# KiCad board EnvKB105-RPI.kicad_pcb (continued)
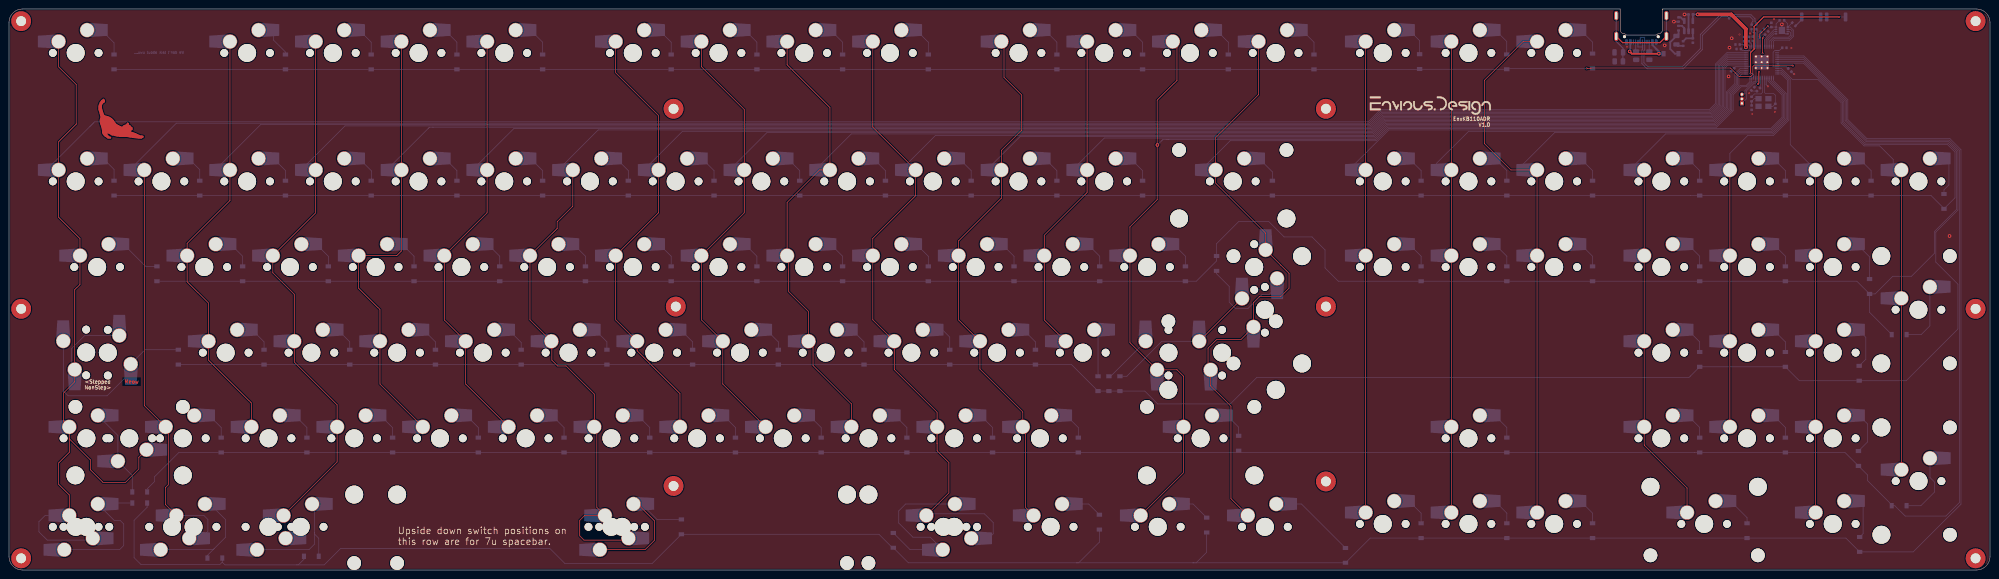
[diagram p0: board, top side]
## Nets
3V3_EN: R7.1 U1.3
+1V1: C3.1 C6.1 C7.1 U3.23 U3.45 U3.50
+3V3: C4.1 C5.1 C8.1 C10.1 C11.1 C13.1 C14.1 C15.1 C16.1 C18.1 C102.1 FLASH1.8 R2.1 U1.5 U3.1 U3.10 U3.22 U3.33 U3.42 U3.43 U3.44 U3.48 U3.49
GND: C1.2 C2.1 C3.2 C4.2 C5.2 C6.2 C7.2 C8.2 C9.2 C10.2 C11.2 C13.2 C14.2 C15.2 C16.2 C18.2 C19.1 C102.2 CBP1.2 FLASH1.4 FLASH1.9 J2.2 J5.2 R5.1 R6.1 R8.2 RSW1.1 U1.2 U3.19 U3.57 USB1.A1 USB1.A12 USB1.B1 USB1.B12 Y1.2 Y1.4
VBUS: D1.2 USB1.A4 USB1.A9 USB1.B4 USB1.B9
/GPIO0: U3.2
/GPIO1: U3.3
/QSPI_SCLK: FLASH1.6 U3.52
/QSPI_SD0: FLASH1.5 U3.53
/QSPI_SD1: FLASH1.2 U3.55
/QSPI_SD2: FLASH1.3 U3.54
/QSPI_SD3: FLASH1.7 U3.51
/QSPI_SS: FLASH1.1 R1.1 R2.2 U3.56
/RUN: RSW1.2 U3.26
/SWCLK: J5.1 U3.24
/SWD: J5.3 U3.25
/~{USB_BOOT}: J2.1 R1.2
col0: K_12.1 K_28.1 K_49.1 K_70.1 K_70B1.1 K_86.1 K_104.1 K_104B1.1 K_ANSI_1.1 U3.41
col1: K_29.1 K_87.1 K_105.1 K_105B1.1 U3.40
col2: K_13.1 K_30.1 K_50.1 K_71.1 K_88.1 U3.39
col3: K_14.1 K_31.1 K_51.1 K_72.1 K_89.1 K_106.1 K_106B1.1 U3.38
col4: K_15.1 K_32.1 K_52.1 K_73.1 K_90.1 U3.37
col5: K_16.1 K_33.1 K_53.1 K_74.1 K_91.1 U3.36
col6: K_34.1 K_54.1 K_75.1 K_92.1 K_107.1 K_107B1.1 U3.35
col7: K_17.1 K_35.1 K_55.1 K_76.1 K_93.1 U3.34
col8: K_18.1 K_36.1 K_56.1 K_77.1 K_94.1 U3.32
col9: K_19.1 K_37.1 K_57.1 K_78.1 K_95.1 U3.31
col10: K_20.1 K_38.1 K_58.1 K_79.1 K_96.1 K_108.1 K_108C1.1 U3.30
col11: K_21.1 K_39.1 K_59.1 K_80.1 K_97.1 K_109.1 U3.29
col12: K_22.1 K_40.1 K_60.1 K_81.1 U3.28
col13: K_23.1 K_61.1 K_82.1 K_98.1 K_110.1 U3.27
col14: K_24.1 K_41.1 K_62.1 K_111.1 K_ANSI_2.1 K_ANSI_3.1 U3.18
col15: K_25.1 K_42.1 K_63.1 K_112.1 U3.17
col16: K_26.1 K_43.1 K_64.1 K_99.1 K_113.1 U3.16
col17: K_27.1 K_44.1 K_65.1 K_114.1 U3.15
col19: K_45.1 K_66.1 K_83.1 K_100.1 K_115.1 U3.14
col20: K_46.1 K_67.1 K_84.1 K_101.1 U3.13
col21: K_47.1 K_68.1 K_85.1 K_102.1 K_116.1 U3.12
col22: K_48.1 K_69.1 K_103.1 U3.11
row1: D_12.1 D_13.1 D_14.1 D_15.1 D_16.1 D_17.1 D_18.1 D_19.1 D_20.1 D_21.1 D_22.1 D_23.1 D_24.1 D_25.1 D_26.1 D_27.1 U3.9
row3: D_28.1 D_29.1 D_30.1 D_31.1 D_32.1 D_33.1 D_34.1 D_35.1 D_36.1 D_37.1 D_38.1 D_39.1 D_40.1 D_41.1 D_42.1 D_43.1 D_44.1 D_45.1 D_46.1 D_47.1 D_48.1 U3.8
row4: D_49.1 D_50.1 D_51.1 D_52.1 D_53.1 D_54.1 D_55.1 D_56.1 D_57.1 D_58.1 D_59.1 D_60.1 D_61.1 D_63.1 D_64.1 D_65.1 D_66.1 D_67.1 D_68.1 D_69.1 D_117.1 U3.7
row5: D_62.1 D_70.1 D_71.1 D_72.1 D_73.1 D_74.1 D_75.1 D_76.1 D_77.1 D_78.1 D_79.1 D_80.1 D_81.1 D_82.1 D_83.1 D_84.1 D_85.1 U3.6
row6: D_86.1 D_87.1 D_88.1 D_89.1 D_90.1 D_91.1 D_92.1 D_93.1 D_94.1 D_95.1 D_96.1 D_97.1 D_98.1 D_99.1 D_100.1 D_101.1 D_102.1 D_103.1 U3.5
row7: D_104.1 D_105.1 D_106.1 D_107.1 D_108.1 D_109.1 D_110.1 D_111.1 D_112.1 D_113.1 D_114.1 D_115.1 D_116.1 U3.4
USB_D+: R3.1 USB1.A6 USB1.B6
USB_D-: R4.1 USB1.A7 USB1.B7
VSYS: D1.1 F1.2 R7.2
XIN: C2.2 U3.20 Y1.1
XOUT: R11.1 U3.21
Net-(C19-Pad2): C19.2 R11.2 Y1.3
Net-(D_12-A): D_12.2 K_12.2
Net-(D_13-A): D_13.2 K_13.2
Net-(D_14-A): D_14.2 K_14.2
Net-(D_15-A): D_15.2 K_15.2
Net-(D_16-A): D_16.2 K_16.2
Net-(D_17-A): D_17.2 K_17.2
Net-(D_18-A): D_18.2 K_18.2
Net-(D_19-A): D_19.2 K_19.2
Net-(D_20-A): D_20.2 K_20.2
Net-(D_21-A): D_21.2 K_21.2
Net-(D_22-A): D_22.2 K_22.2
Net-(D_23-A): D_23.2 K_23.2
Net-(D_24-A): D_24.2 K_24.2
Net-(D_25-A): D_25.2 K_25.2
Net-(D_26-A): D_26.2 K_26.2
Net-(D_27-A): D_27.2 K_27.2
Net-(D_28-A): D_28.2 K_28.2
Net-(D_29-A): D_29.2 K_29.2
Net-(D_30-A): D_30.2 K_30.2
Net-(D_31-A): D_31.2 K_31.2
Net-(D_32-A): D_32.2 K_32.2
Net-(D_33-A): D_33.2 K_33.2
Net-(D_34-A): D_34.2 K_34.2
Net-(D_35-A): D_35.2 K_35.2
Net-(D_36-A): D_36.2 K_36.2
Net-(D_37-A): D_37.2 K_37.2
Net-(D_38-A): D_38.2 K_38.2
Net-(D_39-A): D_39.2 K_39.2
Net-(D_40-A): D_40.2 K_40.2
Net-(D_41-A): D_41.2 K_41.2
Net-(D_42-A): D_42.2 K_42.2
Net-(D_43-A): D_43.2 K_43.2
Net-(D_44-A): D_44.2 K_44.2
Net-(D_45-A): D_45.2 K_45.2
Net-(D_46-A): D_46.2 K_46.2
Net-(D_47-A): D_47.2 K_47.2
Net-(D_48-A): D_48.2 K_48.2
Net-(D_49-A): D_49.2 K_49.2
Net-(D_50-A): D_50.2 K_50.2
Net-(D_51-A): D_51.2 K_51.2
Net-(D_52-A): D_52.2 K_52.2
Net-(D_53-A): D_53.2 K_53.2
Net-(D_54-A): D_54.2 K_54.2
Net-(D_55-A): D_55.2 K_55.2
Net-(D_56-A): D_56.2 K_56.2
Net-(D_57-A): D_57.2 K_57.2
Net-(D_58-A): D_58.2 K_58.2
Net-(D_59-A): D_59.2 K_59.2
Net-(D_60-A): D_60.2 K_60.2
Net-(D_61-A): D_61.2 K_61.2
Net-(D_62-A): D_62.2 K_62.2 K_ANSI_2.2
Net-(D_63-A): D_63.2 K_63.2
Net-(D_64-A): D_64.2 K_64.2
Net-(D_65-A): D_65.2 K_65.2
Net-(D_66-A): D_66.2 K_66.2
Net-(D_67-A): D_67.2 K_67.2
Net-(D_68-A): D_68.2 K_68.2
Net-(D_69-A): D_69.2 K_69.2
Net-(D_70-A): D_70.2 K_70.2 K_70B1.2
Net-(D_71-A): D_71.2 K_71.2
Net-(D_72-A): D_72.2 K_72.2
Net-(D_73-A): D_73.2 K_73.2
Net-(D_74-A): D_74.2 K_74.2
Net-(D_75-A): D_75.2 K_75.2
Net-(D_76-A): D_76.2 K_76.2
Net-(D_77-A): D_77.2 K_77.2
Net-(D_78-A): D_78.2 K_78.2
Net-(D_79-A): D_79.2 K_79.2
Net-(D_80-A): D_80.2 K_80.2
Net-(D_81-A): D_81.2 K_81.2
Net-(D_82-A): D_82.2 K_82.2
Net-(D_83-A): D_83.2 K_83.2
Net-(D_84-A): D_84.2 K_84.2
Net-(D_85-A): D_85.2 K_85.2
Net-(D_86-A): D_86.2 K_86.2 K_ANSI_1.2
Net-(D_87-A): D_87.2 K_87.2
Net-(D_88-A): D_88.2 K_88.2
Net-(D_89-A): D_89.2 K_89.2
Net-(D_90-A): D_90.2 K_90.2
Net-(D_91-A): D_91.2 K_91.2
Net-(D_92-A): D_92.2 K_92.2
Net-(D_93-A): D_93.2 K_93.2
Net-(D_94-A): D_94.2 K_94.2
Net-(D_95-A): D_95.2 K_95.2
Net-(D_96-A): D_96.2 K_96.2
Net-(D_97-A): D_97.2 K_97.2
Net-(D_98-A): D_98.2 K_98.2
Net-(D_99-A): D_99.2 K_99.2
Net-(D_100-A): D_100.2 K_100.2
Net-(D_101-A): D_101.2 K_101.2
Net-(D_102-A): D_102.2 K_102.2
Net-(D_103-A): D_103.2 K_103.2
Net-(D_104-A): D_104.2 K_104.2 K_104B1.2
Net-(D_105-A): D_105.2 K_105.2 K_105B1.2
Net-(D_106-A): D_106.2 K_106.2 K_106B1.2
Net-(D_107-A): D_107.2 K_107.2 K_107B1.2
Net-(D_108-A): D_108.2 K_108.2 K_108C1.2
Net-(D_109-A): D_109.2 K_109.2
Net-(D_110-A): D_110.2 K_110.2
Net-(D_111-A): D_111.2 K_111.2
Net-(D_112-A): D_112.2 K_112.2
Net-(D_113-A): D_113.2 K_113.2
Net-(D_114-A): D_114.2 K_114.2
Net-(D_115-A): D_115.2 K_115.2
Net-(D_116-A): D_116.2 K_116.2
Net-(D_117-A): D_117.2 K_ANSI_3.2
Net-(F1-Pad1): F1.1 FB1.1
Net-(U1-BP): CBP1.1 U1.4
Net-(U1-IN): C1.1 FB1.2 U1.1
Net-(U3-USB_DM): R4.2 U3.46
Net-(U3-USB_DP): R3.2 U3.47
Net-(USB1-CC1): R5.2 USB1.A5
Net-(USB1-CC2): R6.2 USB1.B5
Net-(USB1-SHIELD): C9.1 R8.1 USB1.S1

Pads without a net: H1 1; H2 1; H3 1; H4 1; H5 1; H6 1; H7 1; H8 1; H9 1; H10 1; H11 1; H12 1; USB1 A8 B8

## Via types
v1: diameter 0.8, hole 0.4, Top to Bottom, 13 vias
v2: diameter 0.4, hole 0.2, Top to Bottom, 20 vias

## Routing (per net, layer and track width the routed paths; a pad name or vN(x,y) marks a point on that pad's centre or on a via; arc(x,y) is an arc through that point)
3V3_EN: length 2.2
  Bottom w0.4: U1.3 372.35,120.54 371.84,121.05 R7.1
+1V1: length 13.4
  Top w0.15: v2(389.93,118.47) 389.75,118.29 v2(389.75,114.94)
  Top w0.2: v2(388.92,110.86) 388.92,108.32 v2(388.7,108.1)
  Bottom w0.15: C6.1 387.99,107.39 v2(388.7,108.1) ; C3.1 387.75,117.59 U3.45 ; U3.50 389.75,118.29 v2(389.93,118.47) 389.93,118.75 C7.1
  Bottom w0.2: U3.23 388.95,108.35 v2(388.7,108.1)
+3V3: length 60.1
  Top w0.15: v2(389.13,118.44) 389.13,119.21 v2(390.91,120.99)
  Top w0.8: v1(386.05,116.27) 386.05,120.32 382.77,123.6 v1(375.32,123.6)
  Bottom w0.15: C13.1 383.75,111.95 U3.33 386.75,111.95 387.1,112.3 387.1,115.4 386.95,115.55 U3.42 385.28,115.55 C16.1 ; U3.43 386.95,116.42 385.75,117.62 C102.1 ; C15.1 393.5,115.55 U3.1 392.45,115.55 392.1,115.2 392.1,111.95 U3.10 395.05,111.95 C14.1 ; 389.35,118.11 389.35,118.76 ; 389.35,118.11 U3.49 ; 389.35,118.11 389.35,118.22 v2(389.13,118.44) ; 389.35,118.76 389.35,118.66 v2(389.13,118.44) ; 389.35,118.76 389.35,119.62 C11.1 388.95,119.22 388.95,118.71 ; U3.22 389.35,107.4 C8.1 ; C18.1 385.42,116.9 v1(386.05,116.27) ; v2(390.91,120.99) 391.12,120.78 C5.1 FLASH1.8 392.76,121.5 R2.1 ; v2(389.13,118.44) 388.95,118.26 388.95,118.11 ; v2(389.13,118.44) 388.95,118.62 388.95,118.71 ; 388.95,118.71 388.95,118.11 ; 388.95,118.11 U3.48 ; U3.44 387.35,116.96 386.69,117.62 C10.1
  Bottom w0.4: U1.5 374.25,122.13 C4.1 375.31,123.59 v1(375.32,123.6)
GND: length 14.9
  Bottom w0.15: C8.2 387.41,106.54 C6.2 ; C3.2 387.52,118.58 C102.2 ; v2(396.8,110.3) 396.7,110.3 C14.2
  Bottom w0.2: v1(394.05,121.37) FLASH1.9 394.8,119.28 FLASH1.4 ; v2(390.94,107.59) 390.55,107.98 U3.19
  Bottom w0.4: v1(372.4,123.59) 373.3,123.59 373.3,119.85 U1.2 ; v1(370.05,121.99) 370.06,121.98 CBP1.2
  vias: v1(368,116.7) v1(382.2,109.8) v1(382.4,116.2) v1(382.9,118.3) v1(431.3,74.3) v2(359.6,116.4) v2(384.64,119.13) v2(386.77,106.1) v2(386.97,119.38) v2(387.46,101.44) v2(392.29,122.52) v2(392.51,101.92) v2(396.17,116.11)
VBUS: length 15.2
  Top w0.4: v1(360.2,115.35) 360.7,114.85 v1(366.7,114.85)
  Bottom w0.4: USB1.A4 360.35,115.5 v1(360.2,115.35) ; USB1.A9 365.25,116.79 366.09,115.94 ; 366.09,115.94 367.19,114.85 D1.2 v1(366.7,114.85) 366.7,115.34 366.09,115.94
/QSPI_SCLK: length 4.6
  Bottom w0.15: FLASH1.6 392.34,119.78 390.55,117.99 U3.52
/QSPI_SD0: length 3.9
  Bottom w0.15: FLASH1.5 392.3,119.28 390.95,117.93 U3.53
/QSPI_SD1: length 8.5
  Bottom w0.15: U3.55 391.75,117.65 392.3,118.19 395.65,118.19 396.3,118.84 396.3,119.95 395.97,120.28 FLASH1.2
/QSPI_SD2: length 7.7
  Bottom w0.15: FLASH1.3 395.69,119.78 395.97,119.5 395.97,118.98 395.51,118.52 392.16,118.52 391.35,117.71 U3.54
/QSPI_SD3: length 5.2
  Bottom w0.15: FLASH1.7 392.38,120.28 390.15,118.05 U3.51
/QSPI_SS: length 12.3
  Bottom w0.15: FLASH1.1 395.36,120.78 R1.1 ; FLASH1.1 395.93,120.78 396.62,120.09 396.62,118.71 395.78,117.87 392.43,117.87 392.15,117.59 U3.56 ; FLASH1.1 395.34,121.5 R2.2
/RUN: length 33.5
  Top w0.25: v2(406.77,123.02) 389.97,123.02 387.88,120.92 387.88,115.9 387.07,115.1 v2(387.07,110.45)
  Bottom w0.15: U3.26 387.75,110.25 387.55,110.45 v2(387.07,110.45) ; RSW1.2 v2(406.77,123.02)
/SWCLK: length 7.3
  Bottom w0.15: J5.1 386.15,104.8 386.15,106.57 387.88,108.3 388.2,108.3 388.55,108.65 U3.24
/SWD: length 5.4
  Bottom w0.15: U3.25 388.15,108.69 388.06,108.6 387.76,108.6 385.85,106.69 385.85,106 385.65,105.8 J5.3
/~{USB_BOOT}: length 2.6
  Bottom w0.25: J2.1 398.45,122.43 R1.2
col0: length 574.2
  Top w0.15: 13.4,29.2 18.08,24.51 18.08,22.31 20.88,19.51 25.91,19.51 28.86,22.46 28.86,25.08 30.55,26.77 ; 13.4,29.2 K_86.1 12.1,33.14 12.1,39.35 14.61,41.86 K_70B1.1 14.61,62.36 15.78,63.53 K_49.1 15.78,73.72 11.02,78.48 K_28.1 11.02,95.25 14.94,99.18 14.94,108.01 11.02,111.93 K_12.1 ; 13.4,29.2 13.4,26.18 11.04,23.82 11.04,19.06 13.39,16.71 K_104.1
  Bottom w0.15: 17.95,98.63 18.85,99.52 ; 17.95,98.63 8.31,88.99 ; 17.95,98.63 19.02,99.7 302.11,99.7 304.81,102.4 377.88,102.4 379.3,103.82 379.3,112.57 381.88,115.15 U3.41 ; K_70.1 16.81,52.16 13.85,49.2 13.85,45.35 K_70B1.1 ; K_104B1.1 18.23,6.65 8.5,6.65 6.65,8.5 6.65,10.75 8.04,12.14 K_104.1
col1: length 468.5
  Top w0.15: K_29.1 30.07,36.6 K_87.1 35.4,31.27 35.4,18.95 34.75,18.3 34.75,14.6 K_105.1
  Bottom w0.15: 26.79,88.99 37.2,99.4 302.24,99.4 304.94,102.1 378.01,102.1 379.6,103.69 379.6,112.45 381.9,114.75 U3.40 ; K_105.1 43.31,12.14 44.2,11.25 44.2,8.6 42.66,7.06 K_105B1.1
col2: length 451.5
  Top w0.15: K_88.1 53.88,37.15 44.35,46.68 K_71.1 44.35,59.37 39.59,64.13 K_50.1 39.59,72.67 49.12,82.19 49.12,117.56
  Bottom w0.15: U3.39 381.93,114.35 379.9,112.32 379.9,103.57 378.13,101.8 305.06,101.8 302.36,99.1 55.95,99.1 45.84,88.99
col3: length 462.2
  Top w0.15: K_106.1 72.93,24.05 K_89.1 72.93,36.74 63.4,46.27 K_72.1 63.4,61.35 58.64,66.11 K_51.1 68.17,79.46 K_31.1 K_14.1
  Bottom w0.15: U3.38 381.95,113.95 380.2,112.2 380.2,103.44 378.26,101.5 305.18,101.5 302.48,98.8 74.7,98.8 64.89,88.99 ; K_106B1.1 61.35,7.19 61.35,11.81 K_106.1
col4: length 418.6
  Top w0.15: K_15.1 K_32.1 87.22,70.96 86.19,69.94 K_52.1 77.69,62.7 82.45,57.94 K_73.1 82.45,41.36 K_90.1
  Bottom w0.15: 94.05,98.5 94.3,98.5 ; 94.3,98.5 302.61,98.5 305.31,101.2 378.38,101.2 380.5,103.32 380.5,112.07 381.98,113.55 U3.37 ; 94.3,98.5 93.45,98.5 93.17,98.22 ; 93.42,98.47 93.17,98.22 ; 93.17,98.22 83.94,88.99
col5: length 393.8
  Top w0.15: K_91.1 101.5,41.36 K_74.1 96.74,55.65 K_53.1 106.27,79.46 K_33.1 K_16.1
  Bottom w0.15: U3.36 382,113.15 380.8,111.95 380.8,103.19 378.51,100.9 305.43,100.9 302.73,98.2 112.2,98.2 102.99,88.99
col6: length 388.6
  Top w0.15: K_34.1 125.32,80.93 121.84,77.46 121.84,75.99 K_54.1 115.79,55.65 K_75.1 ; 120.66,50.78 120.66,46.67 121.94,45.39 123.82,45.39 130.08,39.13 K_92.1 130.65,31.27 130.65,13.94 K_107.1 127.94,12.14 126.85,11.05 126.85,7.6 127.8,6.65 137.27,6.65 K_107B1.1
  Bottom w0.15: U3.35 382.03,112.75 381.1,111.82 381.1,103.07 378.63,100.6 305.56,100.6 302.86,97.9 130.95,97.9 122.04,88.99
col7: length 359.4
  Top w0.15: K_93.1 149.13,39.25 139.6,48.78 K_76.1 134.84,55.65 K_55.1 144.37,79.46 K_35.1 144.37,101.09 134.84,110.62 K_17.1
  Bottom w0.15: U3.34 382.05,112.35 381.4,111.7 381.4,102.95 378.75,100.3 305.68,100.3 302.98,97.6 149.7,97.6 141.09,88.99
col8: length 338.2
  Top w0.15: K_94.1 158.65,41.36 K_77.1 153.89,55.65 K_56.1 163.42,79.46 K_36.1 163.42,102.45 153.89,111.98 K_18.1
  Bottom w0.15: U3.32 384.75,111.55 383.6,110.4 383.6,108.22 381.7,106.32 381.7,102.82 378.88,100 305.81,100 303.11,97.3 168.45,97.3 160.14,88.99
col9: length 318.3
  Top w0.15: 173.3,69.58 173.3,61.9 177.7,57.5 K_78.1 ; K_95.1 187.23,36.97 178.7,45.5 178.7,49.89 ; K_57.1 172.94,81.76 180.17,88.99 K_37.1 182.46,102.88 172.94,112.4 K_19.1
  Bottom w0.15: 179.19,88.99 187.2,97 303.23,97 305.93,99.7 379,99.7 382,102.7 382,106.2 383.9,108.1 383.9,110.2 384.85,111.15 U3.31
col10: length 344.3
  Top w0.15: 206.28,28.13 206.28,26.52 208.9,23.9 208.9,17.15 K_108.1 ; K_20.1 191.99,98.52 K_38.1 201.51,83.28 191.99,73.76 K_58.1 191.99,55.65 K_79.1 196.75,44.62 206.28,35.09 K_96.1
  Top w0.2: 206.28,28.13 K_96.1
  Bottom w0.15: 198.24,88.99 205.95,96.7 303.35,96.7 306.05,99.4 379.13,99.4 382.3,102.57 382.3,106.07 384.2,107.97 384.2,110 384.95,110.75 U3.30 ; K_108C1.1 217.76,7.06 218.75,8.05 218.75,10.55 216.8,12.5 204.25,12.5 K_108.1
col11: length 300.8
  Top w0.15: K_109.1 225.95,13.9 225.95,31.22 K_97.1 225.33,35.17 215.8,44.7 K_80.1 211.04,55.65 K_59.1 211.04,73.2 220.56,82.72 K_39.1 220.56,93.31 225.1,97.85 225.1,105.65 221.15,109.6 221.15,116.97 K_21.1
  Bottom w0.15: U3.29 385.15,110.35 384.5,109.7 384.5,107.85 382.6,105.95 382.6,102.45 379.25,99.1 306.18,99.1 303.48,96.4 224.7,96.4 217.29,88.99
col12: length 234.3
  Top w0.15: K_22.1 K_40.1 239.62,83.97 230.09,74.45 K_60.1 230.09,55.65 K_81.1
  Bottom w0.15: 236.34,88.99 243.45,96.1 303.6,96.1 306.3,98.8 379.38,98.8 382.9,102.32 382.9,105.82 384.88,107.8 386.11,107.8 386.95,108.64 U3.28
col13: length 262.3
  Top w0.15: 259.6,116.62 259.6,108.91 255.2,104.51 255.2,94.6 v1(255.25,94.55) 255.2,94.5 255.2,82.39 249.14,76.33 K_61.1 249.14,50.57 K_82.1 259.61,44.54 261.05,43.1 K_98.1 261.05,21.67 K_110.1
  Bottom w0.15: 256.15,95.45 v1(255.25,94.55) ; 256.15,95.45 256.5,95.8 257.8,95.8 ; 256.15,95.45 256.45,95.75 ; 257.1,95.8 257.8,95.8 ; 257.8,95.8 303.73,95.8 306.43,98.5 379.5,98.5 383.2,102.2 383.2,105.7 385,107.5 386.23,107.5 387.35,108.62 U3.27
col14: length 276.5
  Top w0.15: K_111.1 271.6,15.87 271.6,36.45 267.08,40.97 K_ANSI_2.1 ; 266.5,45.11 266.5,49.35 268.45,51.3 273.83,51.3 K_62.1 276.6,59.5 277.95,60.85 282.65,60.85 284.5,62.7 284.5,66 282.65,67.84 282.65,67.85 K_ANSI_3.1 279.3,74.96 268.19,86.07 K_41.1 268.19,96.21 277.71,105.73 K_24.1
  Bottom w0.15: 264.91,88.99 271.43,95.5 303.85,95.5 306.55,98.2 391.58,98.2 394.1,100.72 394.1,105.65 390.95,108.8 U3.18
col15: length 215.7
  Top w0.15: K_112.1 K_25.1
  Bottom w0.15: U3.17 391.35,108.83 394.4,105.78 394.4,100.6 391.7,97.9 306.68,97.9 298.25,89.48
col16: length 198.1
  Top w0.15: K_26.1 K_113.1
  Bottom w0.15: U3.16 391.75,108.85 394.7,105.9 394.7,100.47 391.83,97.6 324.41,97.6 317.3,90.49 317.3,88.99
col17: length 193.8
  Top w0.15: K_44.1 333.81,88.99 327.9,94.9 327.9,108.9 336.56,117.56 K_27.1 ; 339.63,89.83 K_114.1
  Bottom w0.15: U3.15 392.15,108.87 395,106.02 395,100.35 391.95,97.3 343.52,97.3 336.35,90.13
col19: length 131.5
  Top w0.15: K_115.1 372.96,18.25 363.44,27.78 K_100.1 K_45.1
  Bottom w0.15: 360.16,88.99 368.18,97 392.08,97 395.3,100.22 395.3,108.93 393.88,110.35 U3.14
col20: length 89.3
  Top w0.15: K_101.1 K_46.1
  Bottom w0.15: K_46.1 382.49,92.7 386.49,96.7 392.2,96.7 395.6,100.1 395.6,109.05 393.9,110.75 U3.13
col21: length 102.5
  Top w0.15: K_47.1 K_116.1
  Bottom w0.15: U3.12 393.93,111.15 395.9,109.18 395.9,94.63 K_47.1
col22: length 105.8
  Top w0.15: K_103.1 420.61,88.97
  Bottom w0.15: K_48.1 418.79,91.34 415.78,94.34 412.31,94.34 407.2,99.45 407.2,103.98 402.08,109.1 396.4,109.1 393.95,111.55 U3.11
row1: length 380.6
  Top w0.15: v2(396.5,112.2) 396.4,112.3 387.89,112.3 387.6,112.01 387.6,110.25 387.1,109.75 384.55,109.75 382.62,111.67 351.6,111.67 351.5,111.58 v2(350.65,111.58)
  Bottom w0.15: v2(396.5,112.2) 396.35,112.35 U3.9 ; 23.4,111.37 D_13.1 313.44,111.37 ; 333.07,111.58 D_27.1 ; 313.58,111.4 D_26.1
row3: length 471.9
  Bottom w0.15: D_48.1 432.52,82.79 432.52,92.98 430.86,94.64 412.43,94.64 407.5,99.58 407.5,104.1 398.85,112.75 U3.8 ; 430.07,80.43 427.2,83.3 D_28.1
row4: length 502.1
  Bottom w0.15: U3.7 398.88,113.15 407.8,104.23 407.8,99.7 412.53,94.97 430.99,94.97 432.85,93.12 432.85,80.21 427.92,75.29 427.92,70.42 422.85,65.35 418.7,65.35 414.77,61.42 D_68.1 410.7,64.25 D_63.1 295.45,64.25 292.5,67.2 292.5,71.2 289.6,74.1 283.4,74.1 280,77.5 273.3,77.5 268.4,72.6 D_117.1 268.4,68.75 263.9,64.25 D_61.1 D_49.1 ; 413.5,61.39 413.5,57.34 D_69.1
row5: length 503.5
  Bottom w0.15: U3.6 398.9,113.55 408.1,104.35 408.1,99.95 412.75,95.3 431.13,95.3 433.17,93.25 433.17,80.07 428.25,75.15 428.25,68.5 433.17,63.58 433.17,53.62 421.66,42.11 D_85.1 397.91,42.11 D_84.1 D_83.1 ; 375.77,45.19 373.72,43.15 373.72,43.15 373.37,42.8 277.3,42.8 271.45,36.95 255.3,36.95 252.45,39.8 D_81.1 236.15,45.7 D_70.1
row6: length 544.6
  Bottom w0.15: U3.5 398.93,113.95 408.4,104.48 408.4,100.08 412.85,95.62 431.26,95.62 433.5,93.39 433.5,15 430.5,12 421.45,12 419.15,14.3 D_103.1 ; 30.7,18.03 32.33,19.65 32.33,20.72 37.75,26.15 374.6,26.15 374.62,26.17 374.64,26.15 408.07,26.15 D_102.1 413.1,21.12 413.1,19.86 418.46,14.5
row7: length 590
  Bottom w0.15: 47.4,1.75 46.85,1.2 29.35,1.2 27.8,2.75 27.8,11.05 30.7,13.95 D_104.1 ; 47.4,1.75 48,1.15 63.9,1.15 ; 47.4,1.75 D_105.1 ; 237.4,1.6 237.75,1.6 242.35,6.2 D_109.1 ; 237.4,1.6 199.9,1.6 D_108.1 196.35,4.95 193.35,7.95 D_107.1 142.95,1.45 123.55,1.45 120.2,4.8 73.7,4.8 70.05,1.15 63.9,1.15 ; 237.4,1.6 237.25,1.6 263.3,1.6 ; 63.9,1.15 64.3,1.15 65.55,2.4 D_106.1 ; 263.3,1.6 263.85,1.6 266.2,3.95 D_110.1 ; 263.3,1.6 263.1,1.6 D_111.1 302.55,7.1 D_112.1 D_113.1 D_114.1 D_115.1 408.27,7.1 D_116.1 423.24,4.04 433.85,14.65 433.85,93.5 431.4,95.95 412.95,95.95 408.7,100.2 408.7,104.6 398.95,114.35 U3.4
USB_D+: length 41.3
  Bottom w0.2: R3.1 388.33,121.8 388.06,122.07 388.06,122.63 387.17,123.52 380.33,123.52 375.93,119.12 375.93,115.97 371.91,111.95 364.27,111.95 363.38,112.84 363.38,115.52 363.55,115.7 USB1.B6 363.55,118.5 362.55,118.5 USB1.A6
USB_D-: length 41.3
  Bottom w0.2: 363.05,116.65 363.05,116.35 362.05,116.35 USB1.B7 ; 363.05,116.65 363.05,115.8 362.93,115.67 362.93,112.66 364.08,111.5 372.09,111.5 376.38,115.78 376.38,118.93 380.52,123.07 381.97,123.07 arc(382.09,123.03) 382.14,122.91 382.14,122.69 arc(382.19,122.58) 382.3,122.53 arc(382.42,122.58) 382.47,122.69 382.47,122.91 arc(382.51,123.03) 382.63,123.07 386.98,123.07 387.61,122.45 387.61,122.07 387.34,121.8 R4.1 ; 363.05,116.65 USB1.A7
VSYS: length 7.2
  Bottom w0.4: R7.2 371.07,119.27 F1.2 369.22,117.42 369.22,115.9 370.27,114.85 D1.1
XIN: length 9.6
  Bottom w0.15: Y1.1 392.03,103.15 C2.2 392.58,105.62 392.2,106 390.4,106 390.15,106.25 U3.20
XOUT: length 6.1
  Bottom w0.15: U3.21 389.75,106.25 389.4,105.9 387.93,105.9 R11.1
Net-(C19-Pad2): length 2.7
  Bottom w0.15: C19.2 387.32,104.25 R11.2 387.9,104.85 Y1.3
Net-(D_12-A): length 6.4
  Bottom w0.15: 20.67,119.95 23.35,117.27 23.35,114.67
Net-(D_13-A): length 6.5
  Bottom w0.15: 58.77,120.1 58.77,117.91 61.45,115.22 D_13.2
Net-(D_14-A): length 6.5
  Bottom w0.15: D_14.2 80.5,117.42 77.82,120.1
Net-(D_15-A): length 6.5
  Bottom w0.15: 96.87,120.1 99.55,117.42 D_15.2
Net-(D_16-A): length 6.5
  Bottom w0.15: 115.92,120.1 118.6,117.42 D_16.2
Net-(D_17-A): length 6.5
  Bottom w0.15: D_17.2 147.18,117.42 144.49,120.1
Net-(D_18-A): length 6.5
  Bottom w0.15: D_18.2 166.23,117.42 163.54,120.1
Net-(D_19-A): length 6.5
  Bottom w0.15: D_19.2 185.27,117.42 182.59,120.1
Net-(D_20-A): length 6.5
  Bottom w0.15: 201.64,120.1 204.32,117.42 D_20.2
Net-(D_21-A): length 6.5
  Bottom w0.15: 230.22,120.1 232.9,117.42 D_21.2
Net-(D_22-A): length 6.5
  Bottom w0.15: 249.27,120.1 251.95,117.42 D_22.2
Net-(D_23-A): length 6.5
  Bottom w0.15: 268.32,120.1 271,117.42 D_23.2
Net-(D_24-A): length 6.5
  Bottom w0.15: D_24.2 290.05,117.42 287.37,120.1
Net-(D_25-A): length 6.3
  Bottom w0.15: D_25.2 313.52,117.76 311.18,120.1
Net-(D_26-A): length 6.5
  Bottom w0.15: D_26.2 332.89,117.57 330.35,120.1
Net-(D_27-A): length 6.3
  Bottom w0.15: D_27.2 351.95,117.43 349.28,120.1
Net-(D_28-A): length 5.9
  Bottom w0.15: 20.93,91.53 23.35,89.11 D_28.2
Net-(D_29-A): length 6
  Bottom w0.15: D_29.2 42.4,89.06 39.93,91.53
Net-(D_30-A): length 6
  Bottom w0.15: D_30.2 61.45,88.85 58.77,91.53
Net-(D_31-A): length 5.8
  Bottom w0.15: 77.82,91.53 80.61,88.74 80.61,87.07 80.5,86.96
Net-(D_32-A): length 6
  Bottom w0.15: D_32.2 99.55,88.85 96.87,91.53
Net-(D_33-A): length 6
  Bottom w0.15: D_33.2 118.6,88.85 115.92,91.53
Net-(D_34-A): length 6
  Bottom w0.15: D_34.2 137.65,88.85 134.97,91.53
Net-(D_35-A): length 6
  Bottom w0.15: 154.02,91.53 156.7,88.85 D_35.2
Net-(D_36-A): length 6
  Bottom w0.15: D_36.2 175.75,88.85 173.07,91.53
Net-(D_37-A): length 6
  Bottom w0.15: 192.12,91.53 194.8,88.85 D_37.2
Net-(D_38-A): length 6
  Bottom w0.15: 211.17,91.53 213.85,88.85 D_38.2
Net-(D_39-A): length 6
  Bottom w0.15: D_39.2 232.9,88.85 230.22,91.53
Net-(D_40-A): length 6
  Bottom w0.15: D_40.2 251.95,88.85 249.27,91.53
Net-(D_41-A): length 6.2
  Bottom w0.15: D_41.2 280.8,88.57 277.84,91.53
Net-(D_42-A): length 6
  Bottom w0.15: 311.18,91.53 313.86,88.85 D_42.2
Net-(D_43-A): length 6
  Bottom w0.15: D_43.2 332.91,88.85 330.23,91.53
Net-(D_44-A): length 6
  Bottom w0.15: 349.28,91.53 351.96,88.85 D_44.2
Net-(D_45-A): length 6
  Bottom w0.15: D_45.2 375.77,88.85 375.77,88.85 373.09,91.53
Net-(D_46-A): length 6
  Bottom w0.15: 392.14,91.53 394.82,88.85 D_46.2
Net-(D_47-A): length 6
  Bottom w0.15: 411.19,91.53 413.88,88.85 D_47.2
Net-(D_48-A): length 7.4
  Bottom w0.15: 431.17,90.6 431.17,85.67 430.07,84.57 D_48.2
Net-(D_49-A): length 9.5
  Bottom w0.15: D_49.2 30.36,67.55 25.43,72.48
Net-(D_50-A): length 6
  Bottom w0.15: D_50.2 51.92,69.8 49.24,72.48
Net-(D_51-A): length 6
  Bottom w0.15: D_51.2 70.98,69.8 68.29,72.48
Net-(D_52-A): length 6
  Bottom w0.15: D_52.2 90.03,69.8 87.34,72.48
Net-(D_53-A): length 6
  Bottom w0.15: D_53.2 109.08,69.8 106.39,72.48
Net-(D_54-A): length 6
  Bottom w0.15: 125.44,72.48 128.12,69.8 D_54.2
Net-(D_55-A): length 6
  Bottom w0.15: 144.49,72.48 147.18,69.8 D_55.2
Net-(D_56-A): length 6
  Bottom w0.15: D_56.2 166.23,69.8 163.54,72.48
Net-(D_57-A): length 6
  Bottom w0.15: D_57.2 185.27,69.8 182.59,72.48
Net-(D_58-A): length 6
  Bottom w0.15: D_58.2 204.32,69.8 201.64,72.48
Net-(D_59-A): length 6
  Bottom w0.15: D_59.2 223.38,69.8 220.69,72.48
Net-(D_60-A): length 6
  Bottom w0.15: D_60.2 242.43,69.8 239.74,72.48
Net-(D_61-A): length 6
  Bottom w0.15: 258.79,72.48 261.47,69.8 D_61.2
Net-(D_62-A): length 34.3
  Top w0.15: K_ANSI_2.2 274.06,60.4
  Bottom w0.15: K_ANSI_2.2 256.23,50.88 248.45,43.1 D_62.2
Net-(D_63-A): length 6
  Bottom w0.15: D_63.2 313.86,69.8 311.18,72.48
Net-(D_64-A): length 6
  Bottom w0.15: D_64.2 332.91,69.8 330.23,72.48
Net-(D_65-A): length 6
  Bottom w0.15: 349.28,72.48 351.96,69.8 D_65.2
Net-(D_66-A): length 6
  Bottom w0.15: D_66.2 375.77,69.8 373.09,72.48
Net-(D_67-A): length 6
  Bottom w0.15: 392.14,72.48 394.82,69.8 D_67.2
Net-(D_68-A): length 8.3
  Bottom w0.15: 411.19,72.01 413.53,69.67 D_68.2
Net-(D_69-A): length 14.6
  Bottom w0.15: D_69.2 425,52.37 426.94,54.31 K_69.2
Net-(D_70-A): length 40.6
  Bottom w0.15: K_70.2 30.24,49 D_70.2 ; K_70B1.2 12.07,39.83 13.15,38.75 21.79,38.75 K_70.2
Net-(D_71-A): length 5.5
  Bottom w0.15: D_71.2 56.69,50.75 54,53.43
Net-(D_72-A): length 5.5
  Bottom w0.15: D_72.2 75.74,50.75 73.05,53.43
Net-(D_73-A): length 5.5
  Bottom w0.15: 92.1,53.43 94.79,50.75 D_73.2
Net-(D_74-A): length 5.4
  Bottom w0.15: 111.15,53.31 113.84,50.62 D_74.2
Net-(D_75-A): length 5.5
  Bottom w0.15: 130.2,53.43 132.89,50.75 D_75.2
Net-(D_76-A): length 5.5
  Bottom w0.15: D_76.2 151.94,50.75 149.25,53.43
Net-(D_77-A): length 5.5
  Bottom w0.15: D_77.2 170.99,50.75 168.3,53.43
Net-(D_78-A): length 5.5
  Bottom w0.15: 187.35,53.43 190.04,50.75 D_78.2
Net-(D_79-A): length 5.1
  Bottom w0.15: 207.47,53.43 209.09,51.81 D_79.2
Net-(D_80-A): length 5.5
  Bottom w0.15: 225.45,53.43 228.14,50.75 D_80.2
Net-(D_81-A): length 9.5
  Bottom w0.15: D_81.2 242.05,52.58
Net-(D_82-A): length 11
  Bottom w0.15: 244.84,43.1 K_82.2
Net-(D_83-A): length 6
  Bottom w0.15: D_83.2 375.77,50.75 373.09,53.43
Net-(D_84-A): length 6
  Bottom w0.15: D_84.2 394.82,50.75 392.14,53.43
Net-(D_85-A): length 9.1
  Bottom w0.15: D_85.2 412.7,46.89 412.7,51.76 411.19,53.27
Net-(D_86-A): length 20.2
  Bottom w0.15: K_86.2 24.2,29.93 24.2,24.23 27.4,21.03 D_86.2
Net-(D_87-A): length 6
  Bottom w0.15: D_87.2 47.16,31.7 44.48,34.38
Net-(D_88-A): length 6
  Bottom w0.15: 63.53,34.38 66.21,31.7 D_88.2
Net-(D_89-A): length 6
  Bottom w0.15: 82.58,34.35 85.26,31.67 D_89.2
Net-(D_90-A): length 6
  Bottom w0.15: 101.63,34.38 104.31,31.7 D_90.2
Net-(D_91-A): length 6
  Bottom w0.15: D_91.2 123.36,31.7 120.68,34.38
Net-(D_92-A): length 6
  Bottom w0.15: D_92.2 142.41,31.7 139.73,34.38
Net-(D_93-A): length 6
  Bottom w0.15: D_93.2 161.46,31.7 158.78,34.38
Net-(D_94-A): length 6
  Bottom w0.15: 177.83,34.38 180.51,31.7 D_94.2
Net-(D_95-A): length 6
  Bottom w0.15: D_95.2 199.56,31.7 196.88,34.38
Net-(D_96-A): length 6
  Bottom w0.15: D_96.2 218.61,31.7 215.93,34.38
Net-(D_97-A): length 6
  Bottom w0.15: D_97.2 237.66,31.7 234.98,34.38
Net-(D_98-A): length 5.6
  Bottom w0.15: 270.7,34.38 273.3,31.78 D_98.2
Net-(D_99-A): length 6
  Bottom w0.15: D_99.2 332.91,31.7 330.23,34.38
Net-(D_100-A): length 6
  Bottom w0.15: 373.09,34.38 375.77,31.7 D_100.2
Net-(D_101-A): length 6
  Bottom w0.15: D_101.2 394.82,31.7 392.14,34.38
Net-(D_102-A): length 9.6
  Bottom w0.15: 411.19,34.38 413.1,32.47 413.1,28.5 D_102.2
Net-(D_103-A): length 15.4
  Bottom w0.15: D_103.2 424.93,14.3 428,17.37 428,19.54 426.96,20.58 K_103.2
Net-(D_104-A): length 31.9
  Bottom w0.15: K_104.2 23.37,11.05 24.7,11.05 25.5,10.25 25.5,5.45 24.57,4.52 K_104B1.2 ; K_104.2 21.76,14.9 D_104.2
Net-(D_105-A): length 28.3
  Bottom w0.15: 45.65,4.8 45.37,4.52 K_105B1.2 ; 45.65,4.8 44.1,3.25 D_105.2 ; 45.65,4.8 48.1,7.25 48.1,11.25 44.67,14.68 K_105.2
Net-(D_106-A): length 28.2
  Bottom w0.15: D_106.2 68.85,7.05 67.9,8 67.9,8.4 ; K_106B1.2 66.67,4.52 67.9,5.75 67.9,8.4 ; K_106.2 67.9,14.15 67.9,8.4
Net-(D_107-A): length 33.8
  Top w0.15: K_107B1.2 141.37,4.52 143.5,6.65 143.5,10.9 139.72,14.68 K_107.2
  Bottom w0.15: D_107.2 144.03,11.25 K_107.2
Net-(D_108-A): length 38.8
  Bottom w0.15: K_108C1.2 200.28,4.52 D_108.2 ; K_108C1.2 204.75,7.3 200.9,7.3 197.75,10.45 197.75,13.15 199.28,14.68 K_108.2
Net-(D_109-A): length 7.5
  Bottom w0.15: D_109.2 239.97,14.68 K_109.2
Net-(D_110-A): length 9.6
  Bottom w0.15: K_110.2 263.17,14.68 D_110.2
Net-(D_111-A): length 17.6
  Bottom w0.15: K_111.2 287.27,14.68 D_111.2
Net-(D_112-A): length 6
  Bottom w0.15: 311.18,15.33 313.86,12.65 D_112.2
Net-(D_113-A): length 6
  Bottom w0.15: D_113.2 332.91,12.65 330.23,15.33
Net-(D_114-A): length 6
  Bottom w0.15: 349.28,15.33 351.96,12.65 D_114.2
Net-(D_115-A): length 6.5
  Bottom w0.15: 382.62,15.33 386.3,11.65 D_115.2
Net-(D_116-A): length 7.4
  Bottom w0.15: D_116.2 412.1,8.11 412.1,14.42
Net-(D_117-A): length 21.3
  Bottom w0.15: D_117.2 268.4,65.9 271.2,63.1 271.2,59.6 272.6,58.2 275.4,58.2 278.5,61.3 280.08,61.3 K_ANSI_3.2
Net-(F1-Pad1): length 1.6
  Bottom w0.4: F1.1 370.92,116.6 FB1.1
Net-(U1-BP): length 1.6
  Bottom w0.4: U1.4 371.53,122.94 CBP1.1
Net-(U1-IN): length 4
  Bottom w0.4: FB1.2 372.75,118.27 C1.1 U1.1
Net-(U3-USB_DM): length 4.6
  Bottom w0.15: R4.2 387.34,119.84 387.58,119.6 388.08,119.6 388.22,119.46 388.22,117.2 388.15,117.13 U3.46
